# KiCad board F02-Func-Decoder-p.kicad_pcb (continued)
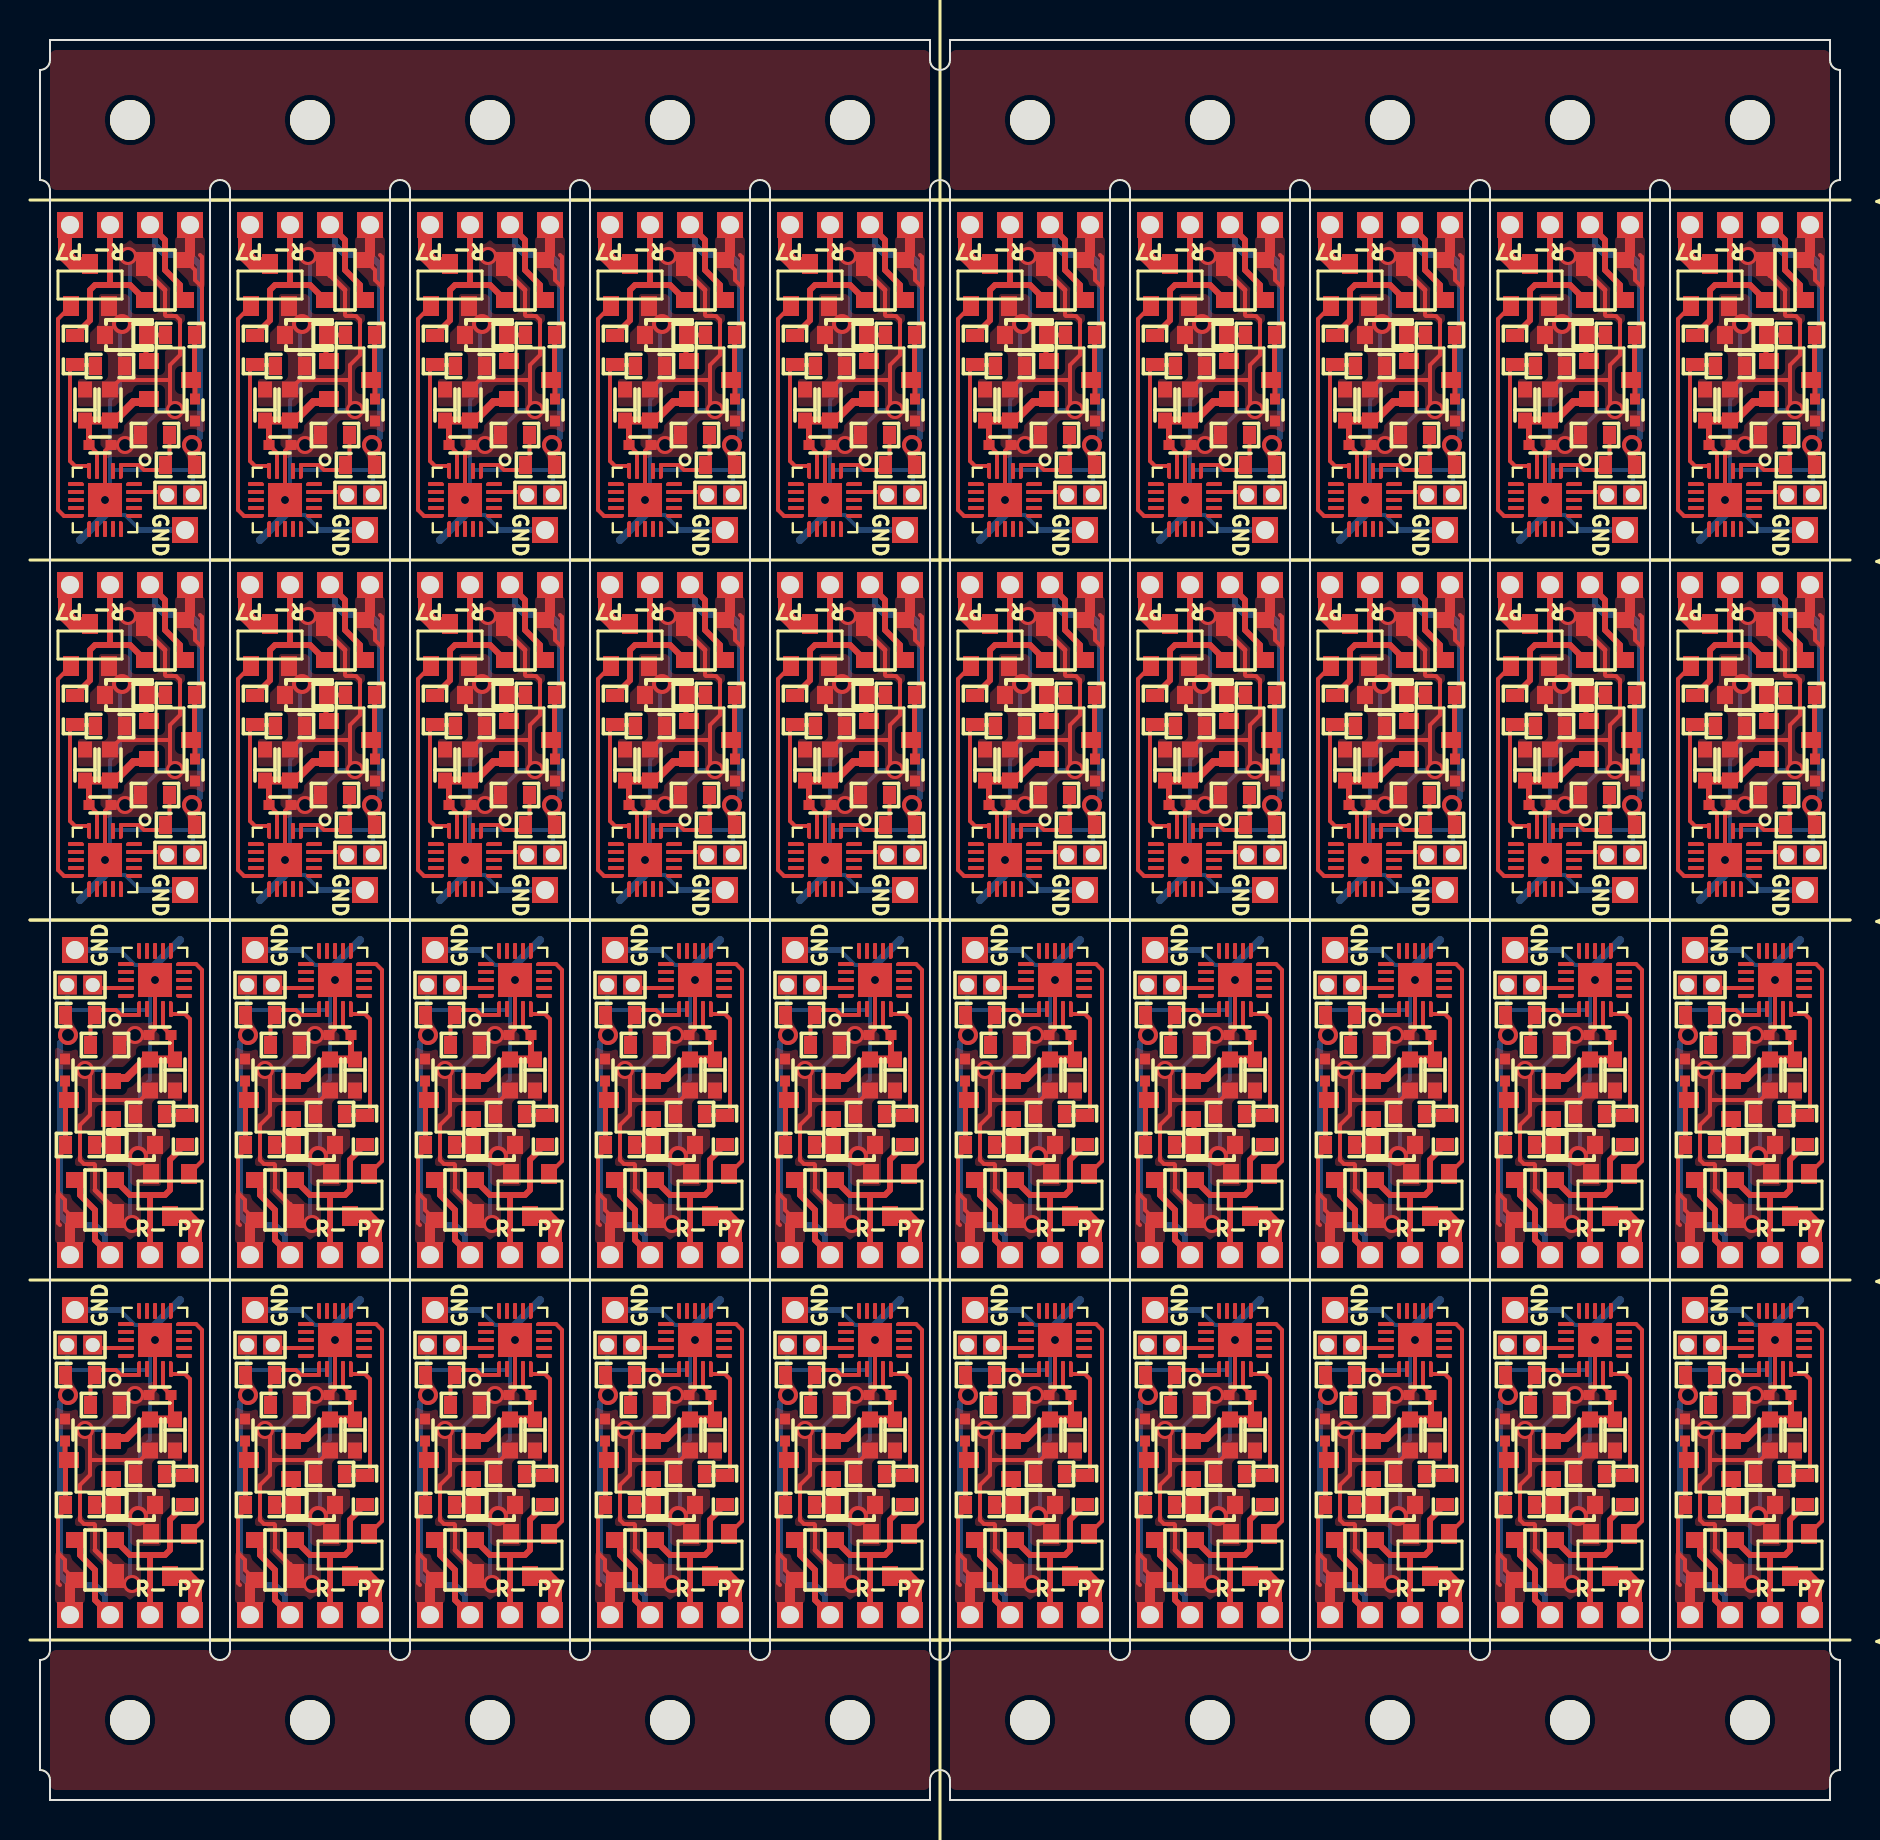
[diagram p0: board, top side]
## Routing (per net, layer and track width the routed paths; a pad name or vN(x,y) marks a point on that pad's centre or on a via; arc(x,y) is an arc through that point) (continued)
  Bottom w0.3: P4#13.1 59,45.5 ; P4#33.1 67,42.5 ; P4#12.1 85,42.5 ; P4#23.1 31,24.5 ; P4#39.1 77,45.5 ; P4#37.1 50,45.5 ; P4#20.1 23,63.5 ; P4#18.1 50,63.5 ; P4#10.1 13,24.5 ; P4#27.1 4,42.5 ; P4#2.1 40,24.5 ; P4#3.1 14,45.5 ; P4#5.1 85,24.5 ; P4#35.1 32,63.5 ; P4#15.1 86,63.5 ; P4#24.1 13,42.5 ; P4#28.1 86,45.5 ; P4#34.1 32,45.5 ; P4#29.1 68,45.5 ; P4#14.1 31,42.5 ; P4#8.1 41,63.5 ; P4#19.1 58,24.5 ; P4#21.1 41,45.5 ; P4#16.1 23,45.5 ; P4#11.1 49,42.5 ; P4#38.1 4,24.5 ; P4#6.1 68,63.5 ; P4#40.1 67,24.5 ; P4#32.1 40,42.5 ; P4#17.1 76,42.5 ; P4#26.1 5,45.5 ; P4#25.1 49,24.5 ; P4.1 22,42.5 ; P4#22.1 5,63.5 ; P4#30.1 14,63.5 ; P4#7.1 77,63.5 ; P4#36.1 58,42.5 ; P4#31.1 76,24.5 ; P4#9.1 22,24.5 ; P4#4.1 59,63.5
  Bottom w0.4: 43,25 41.75,23.75 v1(41.75,23) ; 16,25 14.75,23.75 v1(14.75,23) ; 34,43 32.75,41.75 v1(32.75,41) ; 20,45 21.25,46.25 v1(21.25,47) ; v1(3.25,47) 3.25,46.25 2,45 ; 11,63 12.25,64.25 v1(12.25,65) ; v1(86.75,23) 86.75,23.75 88,25 ; v1(57.25,65) 57.25,64.25 56,63 ; 83,63 84.25,64.25 v1(84.25,65) ; 38,63 39.25,64.25 v1(39.25,65) ; v1(75.25,47) 75.25,46.25 74,45 ; v1(48.25,47) 48.25,46.25 47,45 ; v1(30.25,65) 30.25,64.25 29,63 ; 61,43 59.75,41.75 v1(59.75,41) ; 43,43 41.75,41.75 v1(41.75,41) ; 11,45 12.25,46.25 v1(12.25,47) ; 16,43 14.75,41.75 v1(14.75,41) ; v1(84.25,47) 84.25,46.25 83,45 ; v1(68.75,41) 68.75,41.75 70,43 ; 25,43 23.75,41.75 v1(23.75,41) ; v1(77.75,41) 77.75,41.75 79,43 ; 7,43 5.75,41.75 v1(5.75,41) ; 61,25 59.75,23.75 v1(59.75,23) ; v1(68.75,23) 68.75,23.75 70,25 ; 38,45 39.25,46.25 v1(39.25,47) ; 52,43 50.75,41.75 v1(50.75,41) ; v1(66.25,65) 66.25,64.25 65,63 ; v1(3.25,65) 3.25,64.25 2,63 ; v1(5.75,23) 5.75,23.75 7,25 ; v1(77.75,23) 77.75,23.75 79,25 ; v1(21.25,65) 21.25,64.25 20,63 ; 52,25 50.75,23.75 v1(50.75,23) ; 25,25 23.75,23.75 v1(23.75,23) ; 65,45 66.25,46.25 v1(66.25,47) ; v1(48.25,65) 48.25,64.25 47,63 ; 56,45 57.25,46.25 v1(57.25,47) ; v1(30.25,47) 30.25,46.25 29,45 ; 74,63 75.25,64.25 v1(75.25,65) ; 88,43 86.75,41.75 v1(86.75,41) ; v1(32.75,23) 32.75,23.75 34,25
  vias: v3(4.4,77.2) v3(4.4,59.2) v3(4.6,28.8) v3(4.6,10.8) v3(13.4,77.2) v3(13.4,59.2) v3(13.6,28.8) v3(13.6,10.8) v3(22.4,77.2) v3(22.4,59.2) v3(22.6,28.8) v3(22.6,10.8) v3(31.4,77.2) v3(31.4,59.2) v3(31.6,28.8) v3(31.6,10.8) v3(40.4,77.2) v3(40.4,59.2) v3(40.6,28.8) v3(40.6,10.8) v3(49.4,77.2) v3(49.4,59.2) v3(49.6,28.8) v3(49.6,10.8) v3(58.4,77.2) v3(58.4,59.2) v3(58.6,28.8) v3(58.6,10.8) v3(67.4,77.2) v3(67.4,59.2) v3(67.6,28.8) v3(67.6,10.8) v3(76.4,77.2) v3(76.4,59.2) v3(76.6,28.8) v3(76.6,10.8) v3(85.4,77.2) v3(85.4,59.2) v3(85.6,28.8) v3(85.6,10.8)
Func7: length 459.7
  Top w0.2: Qe#18.1 26.1,13.95 26.1,23.5 25.8,23.8 U1#36.10 ; U1#2.10 88.8,23.8 89.1,23.5 89.1,13.95 Qe#9.1 ; U1#30.10 16.8,23.8 17.1,23.5 17.1,13.95 Qe#5.1 ; Qe#27.1 54.9,56.05 54.9,46.5 55.2,46.2 U1#21.10 ; U1#24.10 7.8,41.8 8.1,41.5 8.1,31.95 Qe#23.1 ; U1#37.10 34.8,41.8 35.1,41.5 35.1,31.95 Qe#37.1 ; Qe#26.1 81.9,56.05 81.9,46.5 82.2,46.2 U1#11.10 ; U1#28.10 46.2,64.2 45.9,64.5 45.9,74.05 Qe#31.1 ; Qe#8.1 27.9,56.05 27.9,46.5 28.2,46.2 U1#31.10 ; U1#27.10 7.8,23.8 8.1,23.5 8.1,13.95 Qe#34.1 ; U1#22.10 25.8,41.8 26.1,41.5 26.1,31.95 Qe#33.1 ; Qe#2.1 63.9,74.05 63.9,64.5 64.2,64.2 U1#19.10 ; U1#32.10 46.2,46.2 45.9,46.5 45.9,56.05 Qe#21.1 ; U1#8.10 61.8,41.8 62.1,41.5 62.1,31.95 Qe#7.1 ; U1#26.10 1.2,64.2 0.9,64.5 0.9,74.05 Qe#15.1 ; U1#16.10 37.2,64.2 36.9,64.5 36.9,74.05 Qe#17.1 ; Qe#11.1 36.9,56.05 36.9,46.5 37.2,46.2 U1#9.10 ; U1#12.10 10.2,46.2 9.9,46.5 9.9,56.05 Qe#14.1 ; Qe#29.1 27.9,74.05 27.9,64.5 28.2,64.2 U1#5.10 ; U1#17.10 79.8,41.8 80.1,41.5 80.1,31.95 Qe#16.1 ; Qe#28.1 89.1,31.95 89.1,41.5 88.8,41.8 U1#39.10 ; Qe#38.1 72.9,56.05 72.9,46.5 73.2,46.2 U1.10 ; U1#33.10 70.8,23.8 71.1,23.5 71.1,13.95 Qe#30.1 ; U1#14.10 10.2,64.2 9.9,64.5 9.9,74.05 Qe#10.1 ; Qe#39.1 53.1,31.95 53.1,41.5 52.8,41.8 U1#38.10 ; U1#18.10 55.2,64.2 54.9,64.5 54.9,74.05 Qe#35.1 ; U1#25.10 19.2,46.2 18.9,46.5 18.9,56.05 Qe#24.1 ; U1#23.10 70.8,41.8 71.1,41.5 71.1,31.95 Qe#6.1 ; U1#15.10 19.2,64.2 18.9,64.5 18.9,74.05 Qe#20.1 ; Qe#13.1 44.1,13.95 44.1,23.5 43.8,23.8 U1#13.10 ; U1#10.10 34.8,23.8 35.1,23.5 35.1,13.95 Qe#4.1 ; U1#6.10 43.8,41.8 44.1,41.5 44.1,31.95 Qe#22.1 ; U1#29.10 82.2,64.2 81.9,64.5 81.9,74.05 Qe#25.1 ; U1#40.10 64.2,46.2 63.9,46.5 63.9,56.05 Qe#19.1 ; Qe#32.1 0.9,56.05 0.9,46.5 1.2,46.2 U1#35.10 ; Qe#12.1 72.9,74.05 72.9,64.5 73.2,64.2 U1#34.10 ; Qe#40.1 62.1,13.95 62.1,23.5 61.8,23.8 U1#20.10 ; U1#7.10 79.8,23.8 80.1,23.5 80.1,13.95 Qe#36.1 ; U1#3.10 52.8,23.8 53.1,23.5 53.1,13.95 Qe#3.1 ; Qe.1 17.1,31.95 17.1,41.5 16.8,41.8 U1#4.10
RAIL+: length 748.4
  Top w0.3: 16.6,48.62 16.72,48.5 ; 73.4,39.38 73.28,39.5 ; D1#30.3 11,12.75 11,12.25 11.75,11.5 11.75,10 P1#35.1 ; D1#3.3 65,12.75 65,12.25 65.75,11.5 65.75,10 P1#2.1 ; P1#20.1 83.75,28 83.75,29.5 83,30.25 83,30.75 D1#35.3 ; D1#17.3 25,75.25 25,75.75 24.25,76.5 24.25,78 P1#34.1 ; P1#31.1 60.25,78 60.25,76.5 61,75.75 61,75.25 D1#19.3 ; 43.6,66.62 43.72,66.5 ; D1#14.3 43,75.25 43,75.75 42.25,76.5 42.25,78 P1#37.1 ; P1#30.1 38.75,10 38.75,11.5 38,12.25 38,12.75 D1#10.3 ; D1#4.3 47,12.75 47,12.25 47.75,11.5 47.75,10 P1#19.1 ; 46.4,39.38 46.28,39.5 ; D1#25.3 38,30.75 38,30.25 38.75,29.5 38.75,28 P1#28.1 ; D1#13.3 88,75.25 88,75.75 87.25,76.5 87.25,78 P1#29.1 ; P1#12.1 20.75,28 20.75,29.5 20,30.25 20,30.75 D1#27.3 ; P1#6.1 33.25,78 33.25,76.5 34,75.75 34,75.25 D1#29.3 ; P1.1 78.25,60 78.25,58.5 79,57.75 79,57.25 D1#6.3 ; D1#12.3 65,30.75 65,30.25 65.75,29.5 65.75,28 P1#4.1 ; P1#7.1 20.75,10 20.75,11.5 20,12.25 20,12.75 D1#23.3 ; P1#15.1 24.25,60 24.25,58.5 25,57.75 25,57.25 D1#22.3 ; P1#13.1 83.75,10 83.75,11.5 83,12.25 83,12.75 D1#8.3 ; 61.6,66.62 61.72,66.5 ; 7.6,66.62 7.72,66.5 ; P1#21.1 15.25,78 15.25,76.5 16,75.75 16,75.25 D1#32.3 ; P1#5.1 2.75,28 2.75,29.5 2,30.25 2,30.75 D1#9.3 ; 64.4,39.38 64.28,39.5 ; 82.4,21.38 82.28,21.5 ; 43.6,48.62 43.72,48.5 ; P1#23.1 74.75,10 74.75,11.5 74,12.25 74,12.75 D1#26.3 ; P1#8.1 69.25,78 69.25,76.5 70,75.75 70,75.25 D1#33.3 ; D1#37.3 7,57.25 7,57.75 6.25,58.5 6.25,60 P1#14.1 ; P1#38.1 33.25,60 33.25,58.5 34,57.75 34,57.25 D1#20.3 ; D1#31.3 47,30.75 47,30.25 47.75,29.5 47.75,28 P1#10.1 ; D1#36.3 70,57.25 70,57.75 69.25,58.5 69.25,60 P1#24.1 ; P1#36.1 78.25,78 78.25,76.5 79,75.75 79,75.25 D1#39.3 ; 52.6,48.62 52.72,48.5 ; D1.3 52,57.25 52,57.75 51.25,58.5 51.25,60 P1#32.1 ; 28.4,21.38 28.28,21.5 ; 55.4,39.38 55.28,39.5 ; P1#40.1 29.75,28 29.75,29.5 29,30.25 29,30.75 D1#34.3 ; D1#40.3 2,12.75 2,12.25 2.75,11.5 2.75,10 P1#18.1 ; P1#9.1 42.25,60 42.25,58.5 43,57.75 43,57.25 D1#15.3 ; 1.4,21.38 1.28,21.5 ; 55.4,21.38 55.28,21.5 ; 64.4,21.38 64.28,21.5 ; 70.6,48.62 70.72,48.5 ; P1#3.1 51.25,78 51.25,76.5 52,75.75 52,75.25 D1#7.3 ; D1#2.3 11,30.75 11,30.25 11.75,29.5 11.75,28 P1#11.1 ; 70.6,66.62 70.72,66.5 ; D1#38.3 29,12.75 29,12.25 29.75,11.5 29.75,10 P1#25.1 ; 61.6,48.62 61.72,48.5 ; 34.6,48.62 34.72,48.5 ; 34.6,66.62 34.72,66.5 ; P1#39.1 60.25,60 60.25,58.5 61,57.75 61,57.25 D1#11.3 ; 88.6,48.62 88.72,48.5 ; P1#33.1 74.75,28 74.75,29.5 74,30.25 74,30.75 D1#16.3 ; 79.6,66.62 79.72,66.5 ; 19.4,21.38 19.28,21.5 ; 37.4,21.38 37.28,21.5 ; 10.4,39.38 10.28,39.5 ; 16.6,66.62 16.72,66.5 ; D1#24.3 16,57.25 16,57.75 15.25,58.5 15.25,60 P1#26.1 ; 37.4,39.38 37.28,39.5 ; P1#22.1 87.25,60 87.25,58.5 88,57.75 88,57.25 D1#28.3 ; P1#27.1 6.25,78 6.25,76.5 7,75.75 7,75.25 D1#5.3 ; 25.6,48.62 25.72,48.5 ; 73.4,21.38 73.28,21.5 ; 52.6,66.62 52.72,66.5 ; 7.6,48.62 7.72,48.5 ; D1#18.3 56,30.75 56,30.25 56.75,29.5 56.75,28 P1#16.1 ; 19.4,39.38 19.28,39.5 ; P1#17.1 56.75,10 56.75,11.5 56,12.25 56,12.75 D1#21.3 ; 82.4,39.38 82.28,39.5 ; 46.4,21.38 46.28,21.5 ; 88.6,66.62 88.72,66.5 ; 79.6,48.62 79.72,48.5 ; 25.6,66.62 25.72,66.5 ; 1.4,39.38 1.28,39.5 ; 10.4,21.38 10.28,21.5 ; 28.4,39.38 28.28,39.5
  Top w0.4: v2(10.4,38.25) 10.4,39.38 ; v2(16.6,49.75) 16.6,48.62 ; v2(25.6,49.75) 25.6,48.62 ; v2(73.4,38.25) 73.4,39.38 ; v2(79.6,49.75) 79.6,48.62 ; v2(16.6,67.75) 16.6,66.62 ; v2(25.6,67.75) 25.6,66.62 ; v2(37.4,38.25) 37.4,39.38 ; v2(82.4,38.25) 82.4,39.38 ; v2(61.6,67.75) 61.6,66.62 ; v2(52.6,67.75) 52.6,66.62 ; v2(34.6,49.75) 34.6,48.62 ; v2(46.4,20.25) 46.4,21.38 ; v2(46.4,38.25) 46.4,39.38 ; v2(43.6,67.75) 43.6,66.62 ; v2(37.4,20.25) 37.4,21.38 ; v2(79.6,67.75) 79.6,66.62 ; v2(64.4,20.25) 64.4,21.38 ; v2(82.4,20.25) 82.4,21.38 ; v2(1.4,20.25) 1.4,21.38 ; v2(55.4,20.25) 55.4,21.38 ; v2(70.6,67.75) 70.6,66.62 ; v2(55.4,38.25) 55.4,39.38 ; v2(19.4,20.25) 19.4,21.38 ; v2(64.4,38.25) 64.4,39.38 ; v2(28.4,38.25) 28.4,39.38 ; v2(88.6,49.75) 88.6,48.62 ; v2(61.6,49.75) 61.6,48.62 ; v2(10.4,20.25) 10.4,21.38 ; v2(28.4,20.25) 28.4,21.38 ; v2(88.6,67.75) 88.6,66.62 ; v2(43.6,49.75) 43.6,48.62 ; v2(7.6,49.75) 7.6,48.62 ; v2(70.6,49.75) 70.6,48.62 ; v2(52.6,49.75) 52.6,48.62 ; v2(7.6,67.75) 7.6,66.62 ; v2(73.4,20.25) 73.4,21.38 ; v2(1.4,38.25) 1.4,39.38 ; v2(19.4,38.25) 19.4,39.38 ; v2(34.6,67.75) 34.6,66.62
  Bottom w0.3: v2(34.6,49.75) 35,50.15 35,58.75 34.5,59.25 33.25,59.25 32.75,59.75 32.75,60.5 P1#38.1 ; P1#17.1 57.25,9.5 57.25,10.25 56.75,10.75 55.5,10.75 55,11.25 55,19.85 v2(55.4,20.25) ; v2(73.4,38.25) 73,37.85 73,29.25 73.5,28.75 74.75,28.75 75.25,28.25 75.25,27.5 P1#33.1 ; P1#14.1 5.75,60.5 5.75,59.75 6.25,59.25 7.5,59.25 8,58.75 8,50.15 v2(7.6,49.75) ; P1#19.1 48.25,9.5 48.25,10.25 47.75,10.75 46.5,10.75 46,11.25 46,19.85 v2(46.4,20.25) ; P1#4.1 66.25,27.5 66.25,28.25 65.75,28.75 64.5,28.75 64,29.25 64,37.85 v2(64.4,38.25) ; P1#28.1 39.25,27.5 39.25,28.25 38.75,28.75 37.5,28.75 37,29.25 37,37.85 v2(37.4,38.25) ; P1#7.1 21.25,9.5 21.25,10.25 20.75,10.75 19.5,10.75 19,11.25 19,19.85 v2(19.4,20.25) ; v2(55.4,38.25) 55,37.85 55,29.25 55.5,28.75 56.75,28.75 57.25,28.25 57.25,27.5 P1#16.1 ; P1#10.1 48.25,27.5 48.25,28.25 47.75,28.75 46.5,28.75 46,29.25 46,37.85 v2(46.4,38.25) ; v2(1.4,20.25) 1,19.85 1,11.25 1.5,10.75 2.75,10.75 3.25,10.25 3.25,9.5 P1#18.1 ; v2(52.6,67.75) 53,68.15 53,76.75 52.5,77.25 51.25,77.25 50.75,77.75 50.75,78.5 P1#3.1 ; P1#40.1 30.25,27.5 30.25,28.25 29.75,28.75 28.5,28.75 28,29.25 28,37.85 v2(28.4,38.25) ; v2(70.6,67.75) 71,68.15 71,76.75 70.5,77.25 69.25,77.25 68.75,77.75 68.75,78.5 P1#8.1 ; P1#27.1 5.75,78.5 5.75,77.75 6.25,77.25 7.5,77.25 8,76.75 8,68.15 v2(7.6,67.75) ; v2(25.6,67.75) 26,68.15 26,76.75 25.5,77.25 24.25,77.25 23.75,77.75 23.75,78.5 P1#34.1 ; P1#31.1 59.75,78.5 59.75,77.75 60.25,77.25 61.5,77.25 62,76.75 62,68.15 v2(61.6,67.75) ; P1#25.1 30.25,9.5 30.25,10.25 29.75,10.75 28.5,10.75 28,11.25 28,19.85 v2(28.4,20.25) ; v2(34.6,67.75) 35,68.15 35,76.75 34.5,77.25 33.25,77.25 32.75,77.75 32.75,78.5 P1#6.1 ; P1#11.1 12.25,27.5 12.25,28.25 11.75,28.75 10.5,28.75 10,29.25 10,37.85 v2(10.4,38.25) ; P1#23.1 75.25,9.5 75.25,10.25 74.75,10.75 73.5,10.75 73,11.25 73,19.85 v2(73.4,20.25) ; v2(79.6,49.75) 80,50.15 80,58.75 79.5,59.25 78.25,59.25 77.75,59.75 77.75,60.5 P1.1 ; v2(16.6,49.75) 17,50.15 17,58.75 16.5,59.25 15.25,59.25 14.75,59.75 14.75,60.5 P1#26.1 ; v2(70.6,49.75) 71,50.15 71,58.75 70.5,59.25 69.25,59.25 68.75,59.75 68.75,60.5 P1#24.1 ; v2(79.6,67.75) 80,68.15 80,76.75 79.5,77.25 78.25,77.25 77.75,77.75 77.75,78.5 P1#36.1 ; v2(10.4,20.25) 10,19.85 10,11.25 10.5,10.75 11.75,10.75 12.25,10.25 12.25,9.5 P1#35.1 ; P1#20.1 84.25,27.5 84.25,28.25 83.75,28.75 82.5,28.75 82,29.25 82,37.85 v2(82.4,38.25) ; P1#13.1 84.25,9.5 84.25,10.25 83.75,10.75 82.5,10.75 82,11.25 82,19.85 v2(82.4,20.25) ; v2(61.6,49.75) 62,50.15 62,58.75 61.5,59.25 60.25,59.25 59.75,59.75 59.75,60.5 P1#39.1 ; v2(37.4,20.25) 37,19.85 37,11.25 37.5,10.75 38.75,10.75 39.25,10.25 39.25,9.5 P1#30.1 ; v2(1.4,38.25) 1,37.85 1,29.25 1.5,28.75 2.75,28.75 3.25,28.25 3.25,27.5 P1#5.1 ; v2(43.6,67.75) 44,68.15 44,76.75 43.5,77.25 42.25,77.25 41.75,77.75 41.75,78.5 P1#37.1 ; v2(43.6,49.75) 44,50.15 44,58.75 43.5,59.25 42.25,59.25 41.75,59.75 41.75,60.5 P1#9.1 ; P1#21.1 14.75,78.5 14.75,77.75 15.25,77.25 16.5,77.25 17,76.75 17,68.15 v2(16.6,67.75) ; P1#15.1 23.75,60.5 23.75,59.75 24.25,59.25 25.5,59.25 26,58.75 26,50.15 v2(25.6,49.75) ; P1#2.1 66.25,9.5 66.25,10.25 65.75,10.75 64.5,10.75 64,11.25 64,19.85 v2(64.4,20.25) ; P1#32.1 50.75,60.5 50.75,59.75 51.25,59.25 52.5,59.25 53,58.75 53,50.15 v2(52.6,49.75) ; v2(19.4,38.25) 19,37.85 19,29.25 19.5,28.75 20.75,28.75 21.25,28.25 21.25,27.5 P1#12.1 ; P1#22.1 86.75,60.5 86.75,59.75 87.25,59.25 88.5,59.25 89,58.75 89,50.15 v2(88.6,49.75) ; P1#29.1 86.75,78.5 86.75,77.75 87.25,77.25 88.5,77.25 89,76.75 89,68.15 v2(88.6,67.75)
